# Altium PCB Inverter2beta.PcbDoc (part 5 of 5)
Units mm, origin at the board's own origin, x right, y up, seen from the top; angles counter-clockwise.
Board outline 174.4 x 124.43 mm, 4 copper layers (Top Layer, TOP_RTN, BOTT_RTN, Bottom Layer), stack 1.506 mm thick; 535 components, 311 nets, 1510 pads, 425 vias.
Unrouted connection lines stored in the file: 248.
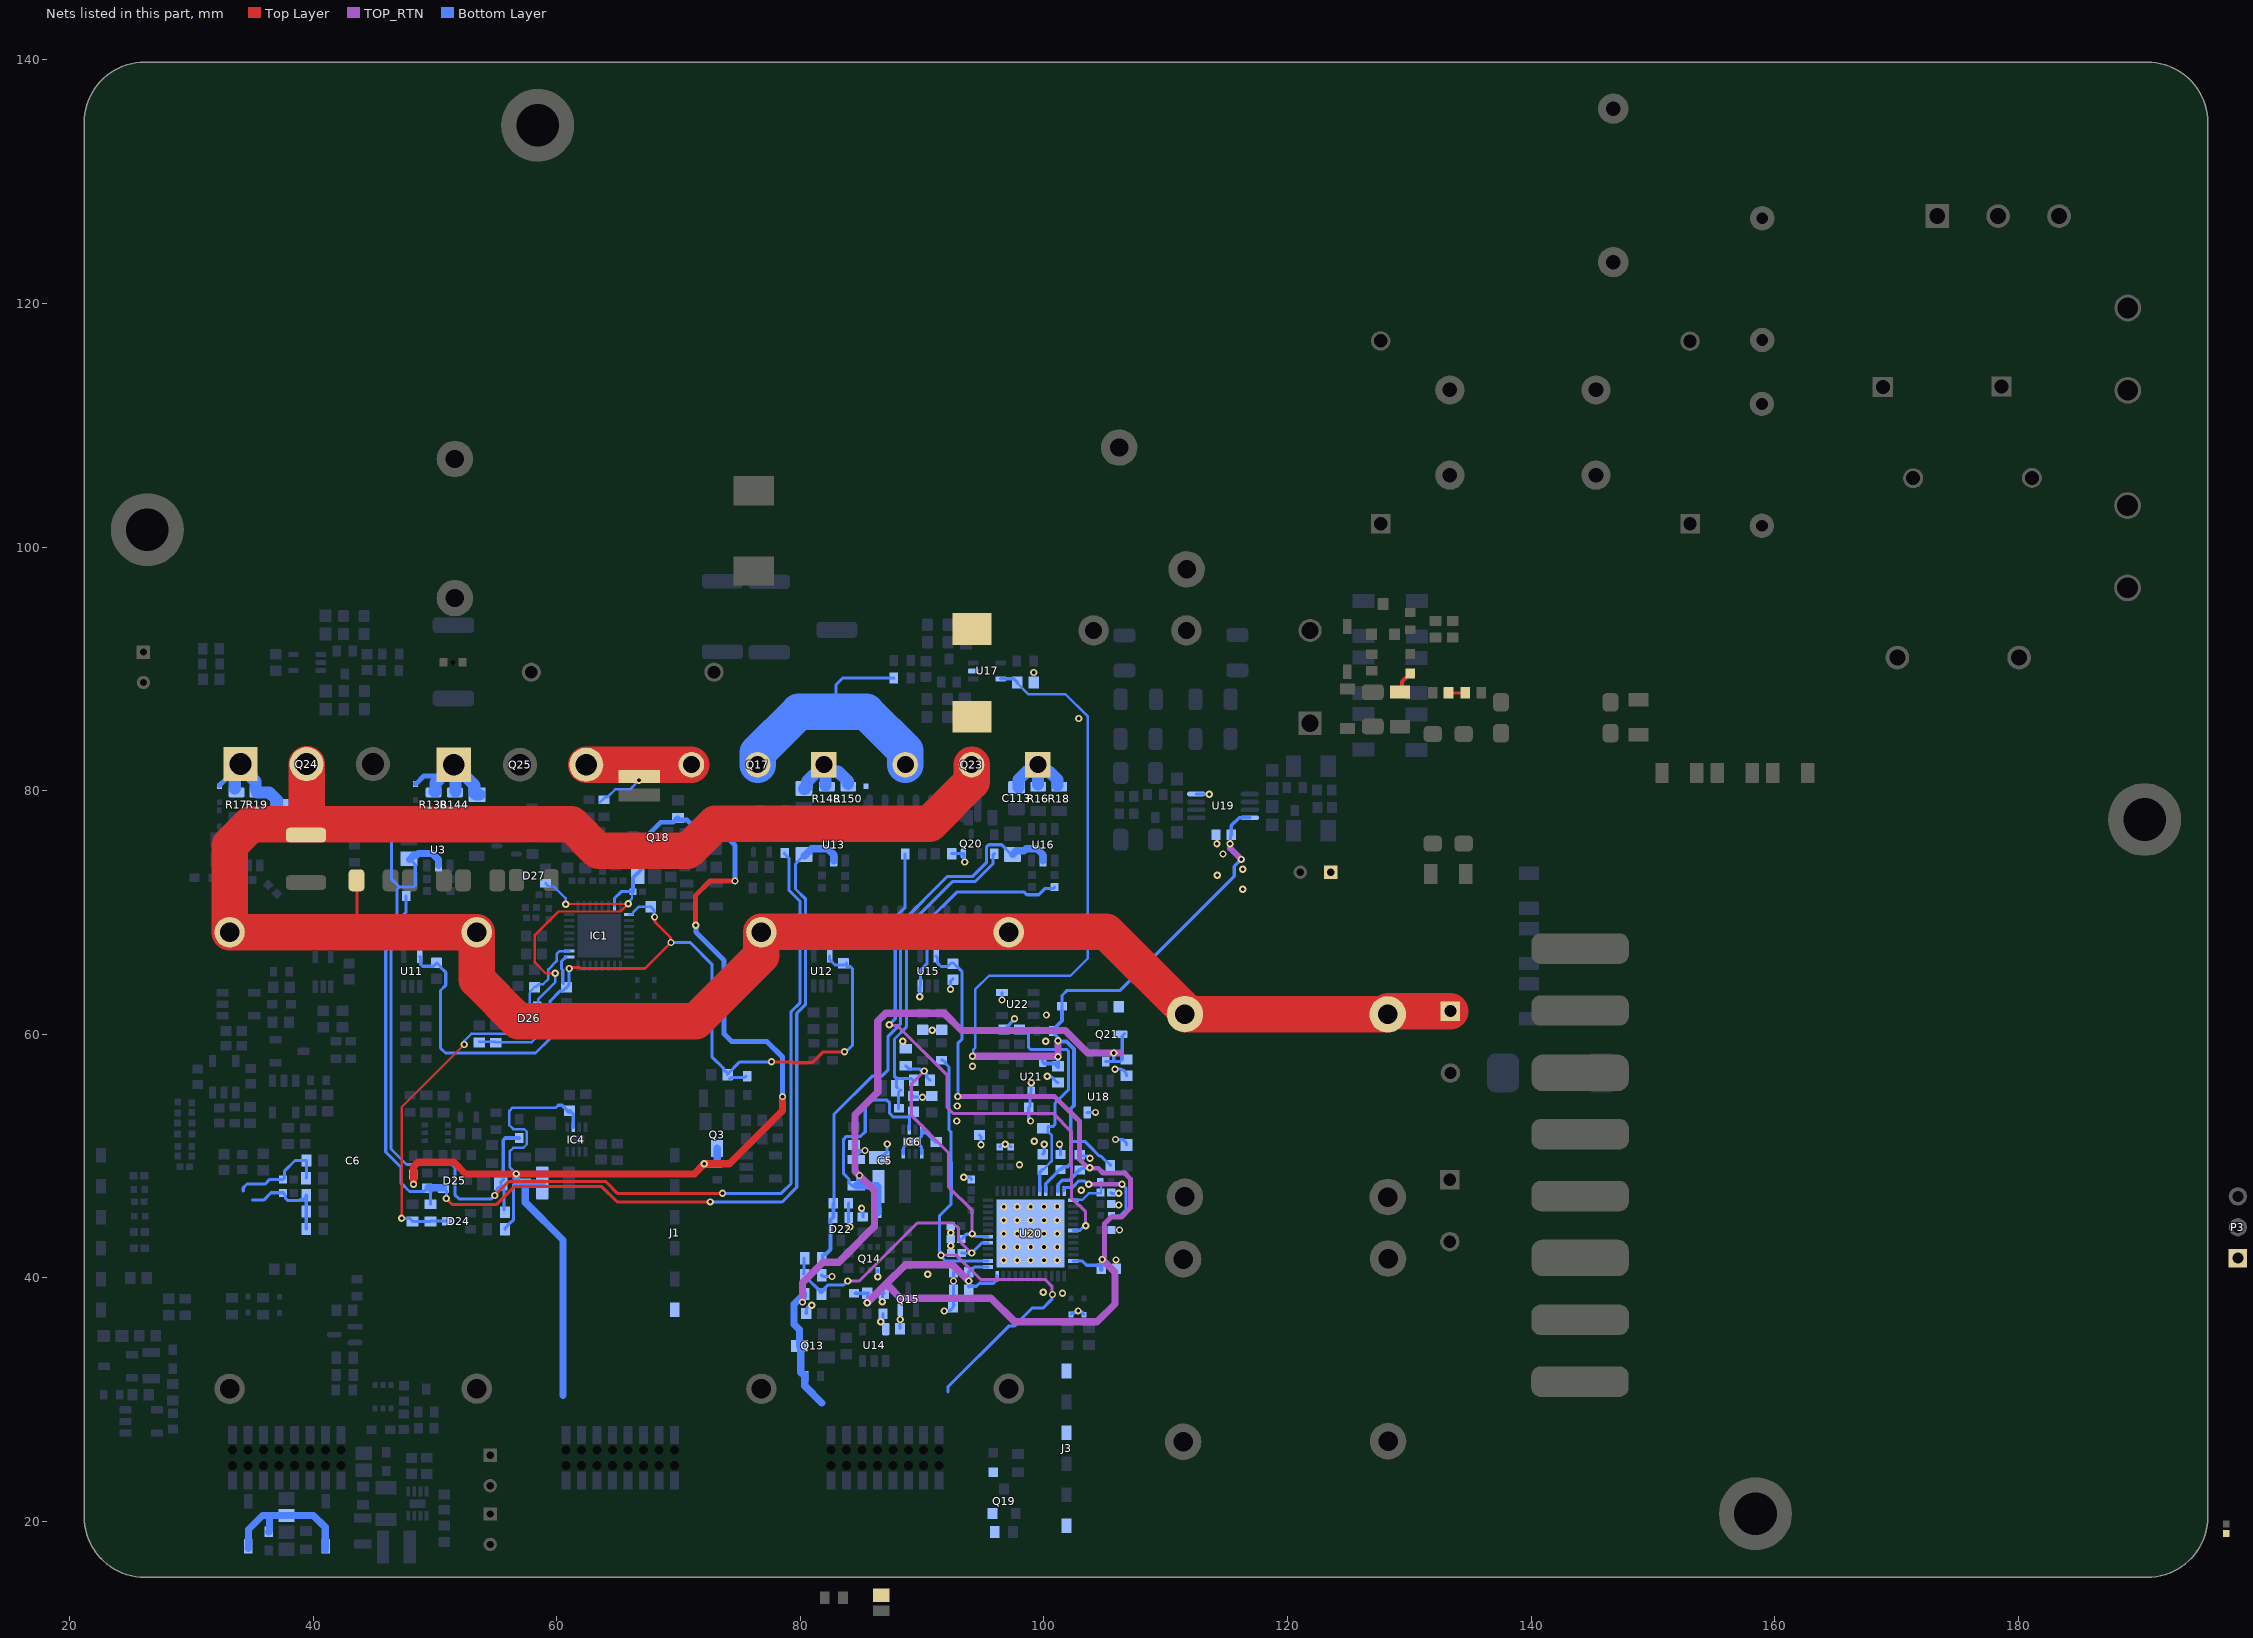
[diagram p7: the nets of this part, all layers, seen from the top]

## Via types
v1: diameter 0.6, hole 0.3, Top Layer to Bottom Layer, tented both sides, 425 vias

## Nets (pads, with @x,y where several pads share a name; then routed paths per layer and width w, separated by ;. In a path a pad name is that pad's centre, name@x,y a point inside that pad or via, vN(x,y) a via of type N, cw(c..) or ccw(c..) an arc to the next point about the centre after c; other vN are vias at no path point) (continued)
TOP_LF_GND: C30.1 C41.1 C60.2 C65.1 C66.2 C67.1 C72.1 C83.1 C93.1 C94.1 C95.1 C97.1 C99.1 C102.1 C103.2 C104.2 C105.2 C106.1 C109.1 C110.1 C111.1 C121.1 C122.1 C126.1 C127.1 C128.2 C130.1 C132.1 C141.1 C143.1 C144.2 C148.1 C150.1 C151.1 C153.1 C154.1 C155.1 C156.1 C158.1 C161.2 C162.2 C163.1 D11.2 D12.2 D22.2 IC6.4 IC6.5 IC6.8 IC6.9 J3.3 J3.6 NTC4.1 P4.3 Q14.1 Q15.2 Q17.2 Q19.2 Q20.2 Q23.3 R51.1 R68.1 R119.1 R130.1 R131.1 R139.1 R141.1 R172.1 R173.1 R176.1 R179.1 R180.2 R183.1 R190.1 R193.1 R203.2 R209.1 U14.5 U15.3 U17.2 U18.5 U19.4 U20.49 U21.2 U22.5 | length 83.6
  Bottom Layer w0.254: C110.1@80.475,37.05 80.475,37.282 80.484,37.373 80.484,37.374 cw(c80.943,37.282) 80.504,37.443 cw(c80.742,37.355) 80.573,37.545 ccw(c80.175,38) 80.656,37.633 cw(c80.857,37.478) 80.753,37.709 cw(c80.943,37.282) v1(80.943,37.75) ; R179.1@81.75,40.2 81.85,40.1 v1(82.595,40.1) ; R51.1@83,87.2 82.925,87.525 82.925,88.7 83.475,89.25 R183.1@87.675,89.25 ; C111.1@83.95,46.125 83.95,44.3 ccw(c84.075,44.3) v1(84.075,44.175) ; R209.1@84.4,50.9 ccw(c84.85,50.9) 84.85,50.45 v1(85.3,50.45) ccw(c85.3,49.725) 84.575,49.725 C97.1@84.575,49.7 ; v1(85.022,45.7) cw(c85.022,45.597) 85.125,45.597 C106.1@85.125,45 ; v1(86.35,40.075) Q14.1@86.35,40.625 ; C102.1@86.475,49.875 87.125,50.298 v1(87.125,50.975) ; v1(86.6,36.375) ccw(c86.6,36.55) 86.775,36.55 R139.1@86.775,37.05 ; v1(86.725,38.028) 86.725,38.6 C109.1@86.85,38.725 ; R173.1@88.175,35.825 88.175,36.55 cw(c88.2,36.55) v1(88.2,36.575) ; IC6.8@88.45,50.175 88.473,50.198 88.473,50.748 88.9,51.175 IC6.9@89.2,51.175 IC6.9@89.5,51.175 ; C158.1@89.275,54.925 89.375,54.825 v1(90.025,54.825) ; v1(89.8,63.075) 89.825,63.1 89.825,63.925 U15.3@89.85,63.95 89.85,65.248 90.38,65.778 90.38,69.208 92.833,71.661 98.377,71.661 98.593,71.445 99.57,71.445 100.094,71.969 100.769,71.969 R141.1@100.875,72.075 ; IC6.4@89.927,51.902 89.927,51.602 IC6.9@89.5,51.175 ; IC6.5@89.95,50.175 89.927,50.198 89.927,50.748 89.6,51.075 v1(89.6,51.175) IC6.9@89.5,51.175 ; IC6.4@89.95,52.175 89.95,51.925 89.973,51.902 90.323,51.902 91.075,51.15 R131.1@91.15,51.15 ; v1(91.8,37.272) 91.805,37.277 92.252,37.277 92.525,37.55 R190.1@92.525,37.625 ; v1(92.325,63.7) 92.325,64.35 C141.1@92.525,64.55 ; R176.1@92.425,74.825 92.449,74.849 Q20.2@93.375,74.849 93.41,74.814 93.41,74.309 93.485,74.234 v1(93.485,74.14) ; C161.2@92.575,40.45 v1(92.575,39.725) C66.2@92.575,39 92.575,37.825 ccw(c92.65,37.825) R190.1@92.65,37.75 ; v1(93.403,48.25) 93.84,48.25 cw(c93.84,48.065) C126.1@94.025,48.065 ; C60.2@94.7,51.725 94.825,51.6 v1(94.825,50.925) ; C144.2@96.375,50.74 96.375,50.751 96.518,50.894 96.746,50.894 v1(96.813,50.961) ; v1(96.55,62.8) U22.5@96.55,63.425 ; R203.2@96.7,60.375 96.75,60.375 97.22,60.845 97.22,60.901 97.575,61.256 v1(97.575,61.275) ; v1@96.825,51.025 96.956,50.894 97.132,50.894 97.275,50.751 C150.1@97.275,50.74 ; v1(98.9,52.875) 98.75,53.025 C154.1@98.75,53.975 98.85,54.075 98.85,55.1 U21.2@98.95,55.2 v1(98.95,56) ; C153.1@99.9,50.15 100.025,50.275 v1(100.025,50.95) ; v1(100.275,56.55) 100.341,56.484 100.641,56.484 101.1,56.025 C30.1@101.15,56.025 ; v1(101.27,50.95) cw(c101.27,50.87) 101.35,50.87 C130.1@101.35,50.125 C130.1@101.35,50.1 ; D12.2@102.225,36.99 102.225,37.03 102.298,37.103 102.534,37.103 102.706,37.275 v1(102.8,37.275) 102.866,37.209 103.096,37.209 103.227,37.078 103.227,37.038 D11.2@103.3,36.965 ; C67.1@102.95,50.1 103.05,50 103.575,50 v1(103.775,49.8) ; U18.5@103.55,53.575 v1(104.225,53.575) ; C148.1@105.515,47 ccw(c105.59,47) 105.59,46.925 v1(106.145,46.925) ; v1(105.831,57.13) 106.22,57.13 cw(c106.22,56.575) C143.1@106.775,56.575 ; v1(105.875,51.35) 106.325,51.35 cw(c106.325,50.9) R193.1@106.775,50.9 ; U19.4@112.5,79.725 113.55,79.725 cw(c113.55,79.7) v1(113.575,79.7)
  Bottom Layer w3: Q17.2@76.49,82.125 76.49,83.09 79.875,86.475 85.4,86.475 88.61,83.265 Q23.3@88.61,82.125
  other v1: 101.525,38.725 99.935,38.811 90.45,40.275 96.7,41.425 97.8,41.425 98.9,41.425 100,41.425 101.1,41.425 105.912,41.462 96.7,42.525 97.8,42.525 98.9,42.525 100,42.525 101.1,42.525 92.35,42.63 96.7,43.625 97.8,43.625 98.9,43.625 100,43.625 101.1,43.625 92.35,43.7 106.2,43.925 96.7,44.725 97.8,44.725 98.9,44.725 100,44.725 101.1,44.725 96.7,45.825 97.8,45.825 98.9,45.825 100,45.825 101.1,45.85 106.145,45.975 103.05,47.175 97.991,49.284 88.8,51.175 99.2,51.2 92.824,52.875 92.875,54.105 94.125,57.375 88.412,59.407 100.15,59.425 90.825,60.325 100.2,61.575 116.325,71.9 114.225,73.05 116.325,73.55 114.7,74.8 114.2,75.625 102.85,85.925 99.15,89.7
TOP_LF_TWO_LEVEL_TIM1_CH2_5: R143.1 U20.30 | length 44.1
  TOP_RTN w0.254: v1(87.297,60.778) 87.391,60.778 87.469,60.7 87.975,60.7 92.05,56.625 92.05,53.975 92.525,53.5 100.75,53.5 102.25,52 102.25,46.575 103.42,45.405 v1(103.42,44.27)
  Bottom Layer w0.254: v1(87.297,60.778) 87.784,61.265 87.784,69.609 88.6,70.425 R143.1@88.6,74.8 ; U20.30@102.4,43.875 102.423,43.898 102.954,43.898 103.327,44.27 v1(103.42,44.27)
TOP_LF_TWO_LEVEL_TIM1_CH2N: R174.1 U20.2 | length 44.2
  TOP_RTN w0.254: v1(91.542,41.853) 92.797,41.853 94.8,39.85 100.1,39.85 100.644,39.306 100.644,38.681 v1(100.7,38.625)
  Bottom Layer w0.254: v1(91.542,41.853) 91.476,41.919 91.476,42.124 91.425,42.175 91.425,45.1 92.375,46.05 92.375,46.708 92.387,46.72 92.387,49.48 92.375,49.492 92.375,51.95 92.2,52.125 92.2,57.302 91.923,57.579 91.923,57.652 91.7,57.875 R174.1@91.6,57.875 ; v1@91.55,41.825 91.608,41.767 91.608,41.686 91.919,41.375 U20.2@95.4,41.375 ; 92.118,30.602 92.118,31.047 97.096,36.025 97.546,36.025 99.021,37.5 99.925,37.5 100.48,38.055 100.48,38.057 100.646,38.224 100.646,38.571 v1(100.7,38.625)
TOP_LF_V_3V3A: C30.2 C41.2 C130.2 C155.2 FB11.1 R186.2 R204.2 U17.5 U19.8 U20.21 U21.5 | length 102.2
  TOP_RTN w0.5: v1(115.275,75.625) 115.294,75.606 115.294,75.256 v1(116.2,74.35)
  TOP_RTN w0.6: v1(94.128,58.175) 101.12,58.175 v1(101.15,58.145) v1(101.15,59.45)
  Bottom Layer w0.2: v1(94.128,58.175) 94.204,58.252 94.204,58.732 94.347,58.875 94.347,63.656 95.488,64.797 102.163,64.797 103.6,66.234 103.6,86.075 101.75,87.925 98.7,87.925 97.8,88.825 C41.2@97.8,88.875
  Bottom Layer w0.254: FB11.1@101.475,61.95 FB11.1@101.475,62.275 101.475,63.175 101.9,63.6 106.253,63.6 115.625,72.972 115.625,73.775 v1(116.2,74.35) ; 102.197,51.175 103.396,51.175 104.095,50.476 104.095,50.449 104.546,49.998 104.652,49.998 105.102,49.548 105.177,49.548 105.45,49.275 R186.2@105.45,49.2 ; v1(115.275,75.625) 115.325,75.675 115.325,76.325 C155.2@115.375,76.375
  Bottom Layer w0.3: U17.5@96.45,89.175 97.525,89.175 97.8,88.9 C41.2@97.8,88.875 ; U21.5@99.9,57.8 99.9,57.738 100.05,57.588 100.863,57.588 C30.2@101.15,57.3 ; U20.21@100.15,47.125 100.15,47.725 C130.2@101.125,48.7 ; R204.2@100.725,60.15 101.093,59.782 101.093,59.507 v1(101.15,59.45) 101.207,59.393 101.857,59.393 102.465,58.785 102.465,54.14 102.197,53.872 102.197,51.175 102.197,49.397 101.9,49.1 101.6,49.1 101.4,48.9 101.3,48.9 C130.2@101.075,48.675 ; R204.2@100.75,60.375 101.475,61.1 FB11.1@101.475,61.95 ; C30.2@101.15,57.375 v1(101.15,58.145) ; C155.2@115.375,76.375 115.375,77.125 116.025,77.775 U19.8@116.9,77.775
TOP_LF_V_3V3D: C66.1 C67.2 C99.2 C109.2 C128.1 C141.2 C161.1 C162.1 FB12.1 J3.1 LED3.2 P4.1 U15.5 U20.1 U20.23 U20.35 U20.48 | length 89.6
  TOP_RTN w0.4: v1(92.925,54.881) 92.931,54.875 100.875,54.875 102.925,52.825 102.925,49.691 103.556,49.061 103.71,49.061 v1(103.748,49.023) ; v1@103.841,48.984 104.464,48.984 104.848,48.6 106.625,48.6 107.1,48.125 107.1,45.7 106.375,44.975 105.5,44.975 104.975,44.45 104.975,41.7 v1(104.775,41.5)
  TOP_RTN w0.6: v1(85.5,37.953) 87.049,39.501 88.622,41.075 92.475,41.075 v1(93.825,39.725) ; 87.2,39.35 88.225,38.325 95.65,38.325 97.6,36.375 104.35,36.375 105.825,37.85 105.825,40.45 v1(104.775,41.5)
  Bottom Layer w0.254: FB12.1@84.475,38.725 C109.2@85.5,38.725 ; v1(85.5,37.953) C109.2@85.5,38.725 ; C109.2@85.6,38.725 C109.2@85.5,38.725 ; U15.5@91.15,66.4 91.248,66.302 91.248,65.852 91.543,65.557 92.082,65.557 C141.2@92.375,65.85 ; C141.2@92.525,65.85 92.55,65.85 93.28,65.12 93.28,59.605 92.925,59.25 v1(92.925,54.881) ; U20.1@95.4,40.875 94.275,40.875 94.148,40.748 94.073,40.748 93.825,40.5 C161.1@93.825,40.45 v1(93.825,39.725) 93.825,39.25 93.873,39.298 94.448,39.298 94.7,39.55 95.85,39.55 96.127,39.827 96.127,40.102 U20.48@96.15,40.125 ; U20.35@102.4,41.375 103.155,41.375 103.505,41.025 C162.1@104.625,41.025 ; C67.2@102.95,48.85 103.109,49.009 103.161,48.956 103.682,48.956 v1(103.748,49.023)
  Bottom Layer w0.3: U20.23@101.15,47.125 101.15,47.558 101.172,47.58 101.172,47.668 101.504,48 102.1,48 102.675,48.575 102.675,48.625 102.9,48.85 C67.2@102.95,48.85
  Bottom Layer w0.4: C162.1@104.7,40.675 C162.1@104.7,40.725 104.7,41.025 104.737,41.062 104.737,41.462 v1(104.775,41.5)
TOP_LF_V_3VN: C103.1 C104.1 C105.1 C111.2 C112.1 D8.1 D22.1 R115.2 U16.2 | length 47.1
  Bottom Layer w0.254: C111.2@82.75,46.088 82.75,53.406 85.899,56.555 86.68,56.555 87.2,57.075 87.2,59.825 88.225,60.85 88.225,69.1 92.082,72.957 94.157,72.957 95.27,74.07 95.27,75.356 95.469,75.555 96.52,75.555 97.325,74.75 C112.1@97.425,74.75
  Bottom Layer w0.3: R115.2@81.825,41.575 81.825,41.825 81.95,41.95 82.1,41.95 82.475,42.325 82.475,44.75 82.712,44.988 C111.2@82.712,46.088
  Bottom Layer w0.6: C112.1@97.425,74.75 97.725,75.05 98.343,75.05 98.521,75.228 99.429,75.228 99.925,74.732 U16.2@99.925,74.25
TOP_LF_V_5VP: C96.2 C97.2 C143.2 C158.2 FB8.2 FB10.2 IC6.2 L5.1 Q13.3 Q21.3 R133.2 R178.2 R191.2 | length 83.4
  TOP_RTN w0.6: v1(80.175,38) 80.175,39.6 81.85,41.275 83.15,41.275 86.075,44.2 86.075,47.175 v1(84.85,48.4) 84.826,48.4 84.475,48.751 84.475,53.375 86.35,55.25 86.35,61.075 87,61.725 91.8,61.725 93.225,60.3 101.75,60.3 103.6,58.45 v1(105.725,58.45) 106.225,58.45
  Bottom Layer w0.254: C97.2@84.575,47.55 84.24,47.55 83.992,47.798 83.992,48.098 83.545,48.546 83.545,51.376 83.774,51.605 84.936,51.605 85.32,51.989 85.32,54.17 85.73,54.58 87.101,54.58 87.325,54.356 87.325,53.494 87.619,53.2 C158.2@88.95,53.2 ; IC6.2@88.95,52.175 C158.2@88.95,53.325 ; R191.2@105.075,57.75 105.077,57.752 105.665,57.752 ; v1(105.725,58.45) 105.725,57.813 105.665,57.752 ; Q21.3@106.625,60.05 106.425,59.85 106.425,57.925 106.252,57.752 105.665,57.752
  Bottom Layer w0.6: Q13.3@79.925,34.4 79.925,35.725 79.472,36.178 79.472,37.822 80.125,38.475 80.225,38.475 R178.2@80.225,38.675 ; Q13.3@80.025,34.4 80.025,32.25 R133.2@80.338,31.937 ; R133.2@80.35,32.05 R133.2@80.35,31.925 80.35,31.125 81.754,29.721 ; C97.2@84.575,47.55 C97.2@84.85,47.55 ; v1(84.85,48.4) C97.2@84.85,47.55 ; FB10.2@86.325,45.325 86.362,45.363 86.362,47.463 86.275,47.55 C97.2@84.85,47.55
TOP_LF_V_16VP: C93.2 C94.2 C95.2 C160.2 FB14.2 FB19.2 R177.1 | length 26.7
  Bottom Layer w0.254: 87.875,56.35 87.875,55.675 C160.2@87.975,55.575 ; FB19.2@88.05,53.875 C160.2@88.05,55.05 ; C160.2@88.05,55.225 C160.2@88.247,55.422 ; R177.1@89.25,56.2 89.25,56.202 89.102,56.35 87.975,56.35 87.891,56.434 87.791,56.434 87.725,56.5 87.725,59.319 87.725,59.6 88.7,60.575 88.7,68.75 92.475,72.525 94.336,72.525 95.83,74.019 95.83,74.73 FB14.2@95.925,74.825
TOP_LF_VREF: C153.2 R202.1 R205.1 U20.20 | length 18.4
  Bottom Layer w0.2: C153.2@99.9,48.85 99.925,48.85 100.25,49.175 100.25,49.2 100.628,49.578 100.628,51.705 100.408,51.925 100.375,51.925 100.325,51.975 R205.1@100.325,52.35
  Bottom Layer w0.254: R202.1@97.975,60.375 98.248,60.102 98.581,60.102 98.73,59.953 98.73,58.899 98.879,58.75 101.857,58.75 102.011,58.596 102.011,55.436 100.9,54.325 100.9,52.6 100.707,52.407 100.348,52.407 100.313,52.373 R205.1@100.313,52.338 ; U20.20@99.65,47.125 99.65,48.65 C153.2@99.9,48.9
V_3V3A: C48.2 C80.2 D26.2 D27.2 FB1.1 IC1.15 R166.2 R170.2 | length 38.2
  Top Layer w0.2: v1(59.878,65) 59.075,65 58.197,65.878 58.197,67.083 58.2,67.086 58.2,68.15 60.125,70.075 65.225,70.075 v1@65.838,70.688 ; v1(60.725,70.675) 60.738,70.688 v1@65.838,70.688 ; v1(65.85,70.7) v1@65.838,70.688
  Bottom Layer w0.2: R170.2@53.625,59.375 54.963,59.375 54.987,59.35 57.943,59.35 58.4,59.807 D26.2@58.4,62.25 58.478,62.328 58.478,62.883 59.878,64.283 v1(59.878,65) ; D27.2@59.075,72.375 59.325,72.125 59.748,72.125 60.725,71.148 v1(60.725,70.675) ; IC1.15@64.725,70.525 IC1.15@64.75,70.55 ; v1(65.85,70.7) 65.85,70.808 66.172,71.13 66.172,71.53 C80.2@66.235,71.53
  Bottom Layer w0.254: IC1.15@64.725,70.525 64.727,70.527 64.727,71.152 65.275,71.7 C80.2@66.235,71.7
  Bottom Layer w0.3: C80.2@66.235,71.7 66.25,71.715 66.25,72.85 67.172,73.772 67.172,73.811 67.3,73.939 67.3,74.2 FB1.1@67.5,74.4
V_3V3D: C53.2 C79.2 C85.1 C90.2 C136.2 C137.2 FB6.1 IC1.1 IC1.17 J1.1 LED1.2 U11.5 U12.5 | length 78.3
  Top Layer w0.254: v1(61.016,65.389) 61.082,65.455 61.325,65.455 61.349,65.48 61.851,65.48 61.941,65.389 67.239,65.389 v1(69.375,67.525) 69.335,67.565 69.335,67.94 68.065,69.21 68.065,69.585 v1(68.025,69.625) ; v1(77.625,57.725) 79.309,57.725 79.384,57.65 80.975,57.65 81.874,58.549 v1(83.625,58.549)
  Bottom Layer w0.2: IC1.17@65.925,69.825 66.225,69.825 66.25,69.85 66.25,69.983 66.742,70.475 C79.2@67.7,70.475
  Bottom Layer w0.254: U11.5@48.725,66.375 48.823,66.277 48.823,65.724 48.972,65.575 49.85,65.575 C136.2@50.125,65.85 50.15,65.85 50.448,65.552 50.448,65.508 50.88,65.076 50.88,64.024 50.448,63.592 50.448,58.852 50.85,58.45 58.25,58.45 59.45,59.65 59.45,62.725 60.277,63.552 60.502,63.552 C85.1@60.8,63.85 60.995,64.045 60.995,65.368 v1(61.016,65.389) ; C85.1@60.537,64.163 60.537,64.173 60.483,64.228 60.483,65.251 60.385,65.348 60.385,65.981 IC1.1@60.727,66.323 ; C79.2@67.7,70.475 67.99,70.185 67.99,69.66 v1(68.025,69.625) ; v1(69.375,67.525) 70.95,67.525 72.725,65.75 72.725,58.153 73.727,57.151 73.727,57.023 73.8,56.95 C90.2@73.928,56.95 ; C90.2@74.025,56.675 74.025,56.725 75.025,57.725 v1(77.625,57.725) ; C90.2@74.2,56.35 74.296,56.446 75.421,56.446 FB6.1@75.525,56.55 ; U12.5@82.4,66.4 82.4,66.1 82.498,66.002 82.52,66.002 82.84,65.682 C137.2@83.617,65.682 ; v1(83.625,58.549) 83.691,58.615 83.807,58.615 84.28,59.088 84.28,65.37 84.115,65.535 83.848,65.535 83.8,65.583 C137.2@83.8,65.825
V_3V3DCDC: R3.2 R13.2 | length 1.5
  Top Layer w0.254: R3.2@133.225,88.025 R13.2@134.675,88.025
V_3VN: C57.1 C58.1 C59.1 C75.1 C89.2 C92.1 D10.1 D20.1 D25.1 R160.1 U3.2 U13.2 | length 107.4
  Top Layer w0.254: v1(50.925,46.5) 51.425,46 55.02,46 56.499,47.48 63.695,47.48 64.95,46.225 v1(72.6,46.225)
  Bottom Layer w0.254: C75.1@47.85,74.4 47.9,74.35 47.952,74.35 48.375,73.927 48.375,72.23 48.226,72.081 47.081,72.081 ; D20.1@48.25,77.19 47.244,77.19 46.413,76.359 46.413,72.748 47.081,72.081 ; C89.2@49.35,47.35 49.102,47.102 48.93,47.102 48.903,47.075 47.9,47.075 47.225,47.75 47.225,49.05 45.95,50.325 45.95,68.975 46.875,69.9 46.875,71.875 47.081,72.081 ; C89.2@49.425,47.35 49.625,47.15 R160.1@49.625,46.025 ; D25.1@50.675,47.325 50.72,47.325 50.943,47.102 50.943,46.782 50.925,46.8 v1(50.925,46.5) ; v1(72.6,46.225) 78.5,46.225 79.7,47.425 79.7,61.706 80.407,62.413 80.407,71.118 79.6,71.925 79.6,73.95 79.677,74.027 79.677,74.077 80.25,74.65 C92.1@80.3,74.65
  Bottom Layer w0.6: C75.1@47.9,74.35 48.25,74.7 48.474,74.7 48.601,74.828 49.779,74.828 50.275,74.332 U3.2@50.275,73.85 ; C89.2@49.425,47.388 50.663,47.388 D25.1@50.675,47.375 ; C92.1@80.3,74.65 80.35,74.65 80.928,75.228 82.229,75.228 82.725,74.732 U13.2@82.725,74.25
V_5VP: C10.2 C42.2 C135.2 C142.2 FB3.2 FB4.2 IC4.2 L4.1 Q3.3 Q18.3 R85.2 R86.2 R159.1 | length 115.3
  Top Layer w0.4: v1@71.375,68.975 71.375,71.375 72.575,72.575 v1(74.625,72.575)
  Top Layer w0.6: v1(48.225,47.68) 48.225,49.124 48.576,49.475 51.55,49.475 52.5,48.525 v1(56.675,48.525) 71.275,48.525 v1(72.1,49.35) 74.175,49.35 78.525,53.7 v1(78.525,54.875)
  Bottom Layer w0.2: v1(56.675,48.525) 56.147,49.053 56.147,50.393 56.428,50.674 57.247,50.674 57.528,50.955 57.528,51.995 57.322,52.2 56.425,52.2 56.1,52.525 56.1,53.7 56.37,53.97 59.92,53.97 60.1,54.15
  Bottom Layer w0.254: R159.1@55.75,43.975 55.75,44.075 56.097,44.422 56.103,44.422 56.455,44.774 56.455,47.64 C42.2@56.714,47.899
  Bottom Layer w0.3: 60.1,54.15 60.45,54.15 C135.2@61.025,53.575 ; C135.2@61.05,53.7 61.075,53.7 61.35,53.425 IC4.2@61.35,52.35
  Bottom Layer w0.4: Q18.3@67.693,76.15 67.693,76.575 68.519,77.4 69.55,77.4 69.9,77.75 C142.2@69.95,77.75 ; C142.2@69.95,77.575 70.7,77.575 71.55,76.725 71.55,76.625 R86.2@71.65,76.525 73.6,76.525 74.625,75.5 v1(74.625,72.575) ; v1(71.4,68.95) 71.412,68.938 71.412,68.387 73.725,66.075 73.725,60.025 74.35,59.4 77.25,59.4 78.525,58.125 v1(78.525,54.875)
  Bottom Layer w0.6: FB4.2@48.2,48.475 48.225,48.45 v1(48.225,47.68) ; v1(56.675,48.525) 56.675,47.938 C42.2@56.714,47.899 ; L4.1@58.8,47.775 C42.2@57.325,47.775 ; 60.5,30.325 60.5,43.098 57.4,46.198 57.4,47.7 C42.2@57.325,47.775 ; v1(72.1,49.35) R85.2@73.163,49.35 ; Q3.3@73.15,50.625 73.163,50.612 R85.2@73.163,49.35 ; R85.2@73.175,49.35 R85.2@73.163,49.35 ; C42.2@57.325,47.775 C42.2@57.15,47.775 C42.2@57.325,47.775
V_12: P3.1 R43.2 RELAY.2 | length 1.9
  Top Layer w0.3: R43.2@129.25,88.1 129.401,88.251 129.401,88.951 RELAY.2@130.075,89.625
V_16VP: C54.2 C55.2 C56.2 C138.2 FB5.2 FB7.2 FB16.2 R158.1 | length 94.9
  Top Layer w0.254: v1(54.898,46.75) 56.059,47.912 63.988,47.912 64.97,46.93 v1(73.6,46.93)
  Bottom Layer w0.254: FB5.2@47.625,71.35 47.625,70.025 46.382,68.782 46.382,50.568 47.655,49.295 51.38,49.295 51.625,49.05 51.625,46.825 52,46.45 54.576,46.45 54.876,46.75 v1(54.898,46.75) 55.09,46.943 55.09,47.302 55.188,47.4 C138.2@55.4,47.4 ; C138.2@55.4,47.85 C138.2@55.4,47.4 ; R158.1@55.65,45.575 55.65,46.95 55.657,46.943 55.657,47.302 55.559,47.4 C138.2@55.4,47.4 ; v1(73.6,46.93) 78.43,46.93 79.225,47.725 79.225,61.842 79.975,62.592 79.975,70.9 79.075,71.8 79.075,74.428 78.926,74.577 78.923,74.577 78.7,74.8 FB7.2@78.7,74.875
  Bottom Layer w0.3: C138.2@55.4,47.85 55.6,48.05 55.6,51.299 55.776,51.475 FB16.2@56.9,51.475
V_400VDC: C2.1 C4.1 C5.1 C6.1 C8.2 C134.2 D3.1 D40.2 Q23.2 Q24.2 R71.2 TP7.1 | length 196.2
  Top Layer w0.254: 42.6,68.375 43.6,69.375 R71.2@43.6,72.625
  Top Layer w0.3: 40.35,68.475 40.45,68.375
  Top Layer w3: 39.45,77.575 Q24.2@39.45,82.175 ; 41.25,77.25 61.183,77.25 63.383,75.05 70.763,75.05 72.988,77.275 90.598,77.275 94.05,80.727 Q23.2@94.05,82.125 ; 42.225,77.25 34.882,77.25 33.125,75.493 33.125,69.636 C6.1@33.125,68.375 34.056,68.375 40.45,68.375 42.6,68.375 52.156,68.375 C6.1@53.425,68.375 53.425,67.036 53.425,64.475 56.85,61.05 71.4,61.05 76.8,66.45 76.8,68.405 97.1,68.405 105.12,68.405 C4.1@111.6,61.925 ; C4.1@111.6,61.625 C2.1@128.225,61.625 ; C2.1@128.275,61.875 133.36,61.875 D3.1@133.375,61.89
VAC_OPAMP6_IN+_5: C148.2 R110.2 U20.25 | length 3.4
  Bottom Layer w0.2: U20.25@102.4,46.375 102.428,46.403 103.153,46.403 103.68,46.93 104.68,46.93 104.68,47.845 R110.2@104.675,47.85
VAC_OPAMP6_OUT_5: R200.1 U20.24 | length 9
  TOP_RTN w0.4: v1(103.677,47.68) 103.679,47.677 106.398,47.677 v1(106.4,47.675)
  Bottom Layer w0.254: U20.24@101.65,47.125 101.65,47.37 101.673,47.393 102.318,47.393 102.875,47.95 103.313,47.95 103.583,47.68 v1(103.677,47.68) ; R200.1@105.55,45.05 106.225,45.05 106.75,45.575 106.75,47.325 v1(106.4,47.675)
VDDB_BOTT: FB3.1
VDDB_TOP_HF_MOS: C174.2 D2.2 D5.2 FB15.1 | length 12
  Bottom Layer w0.6: D2.2@34.65,17.775 34.674,17.799 34.674,19.324 35.825,20.475 36.575,20.475 ; FB15.1@36.35,19.15 36.4,19.2 36.4,20.3 36.575,20.475 ; D5.2@40.975,17.675 40.975,19.5 40,20.475 C174.2@37.8,20.475 36.575,20.475
VDDB_TOP_LF_MOS: FB8.1
VH_BOTT_HF_MOS: C81.2 D16.1 Q25.1 R60.2 R138.2 R144.2 | length 11.2
  Bottom Layer w0.4: D16.1@48.4,80.535 48.4,80.575 48.44,80.575 49.065,81.2 50.61,81.2 50.76,81.35 Q25.1@51.535,82.125
  Bottom Layer w1: R138.2@49.975,79.95 50.025,79.95 50.025,80.615 Q25.1@50.76,81.35 ; Q25.1@51.535,82.125 Q25.1@51.668,81.993 ; R144.2@51.668,79.95 Q25.1@51.668,81.993 ; C81.2@53.425,79.775 53.525,79.675 C81.2@53.625,79.675 ; C81.2@53.45,79.675 53.35,79.675 53.25,79.775 53.25,80.41 Q25.1@51.668,81.993
VH_BOTT_LF_MOS: C84.2 C98.2 D17.1 Q17.1 R53.2 R148.2 R150.2 | length 5.8
  Bottom Layer w1: C98.2@80.3,80.15 80.35,80.15 80.55,80.35 80.55,80.745 81.716,81.911 Q17.1@81.93,82.125 ; R148.2@82.053,80.425 Q17.1@82.053,81.575 ; Q17.1@82.48,81.575 83.089,81.575 83.9,80.764 R150.2@83.9,80.55
VH_TOP_HF_MOS: C25.2 D13.1 Q24.1 R17.2 R19.2 R59.2 | length 9.5
  Bottom Layer w0.4: D13.1@32.3,80.398 32.3,80.425 32.81,80.935 32.81,80.975 33.413,81.578 33.453,81.578 Q24.1@34.01,82.135 ; Q24.1@33.433,81.598 Q24.1@34.01,82.175
  Bottom Layer w1: R17.2@33.55,80.2 Q24.1@33.55,81.481 ; Q24.1@34.01,81.758 34.427,81.758 34.91,81.275 34.91,81.081 35.25,80.741 R19.2@35.25,80.2 ; R19.2@35.4,79.85 R19.2@35.45,79.85 ; R19.2@35.55,79.85 36.389,79.85 37,79.239 C25.2@37,78.375
VH_TOP_LF_MOS: C83.2 C113.1 D14.1 Q23.1 R16.2 R18.2 R68.2 | length 6.3
  Bottom Layer w1: C113.1@97.9,80.275 97.9,80.9 98.575,81.575 98.94,81.575 Q23.1@99.49,82.125 Q23.1@99.508,82.107 ; R16.2@99.508,80.525 99.508,81.7 99.633,81.575 100.414,81.575 101.1,80.889 R18.2@101.1,80.425
VMID_BOTT: C84.1 D40.1 Q17.3 Q25.3 R53.1 R60.1 R163.1 Rcsn.2 TP10.1 | length 12.6
  Top Layer w3: Q25.3@62.415,82.125 Q17.3@71.05,82.125
  Bottom Layer w0.2: R163.1@63.525,79.025 63.949,79.449 R163.1@64.173,79.449 ; R163.1@64.211,79.511 64.797,80.097 65.997,80.097 v1(66.75,80.85) ; R163.1@64.223,79.499 R163.1@64.236,79.499
VMON_MOS_DRV_3_N: C131.2 R55.1 R57.1 R65.2 U23.25 | length 8
  Bottom Layer w0.254: 35,46.375 35.925,46.375 36.525,46.975 C131.2@37.535,46.975 ; C131.2@37.51,46.95 37.53,46.95 37.723,46.757 37.723,46.526 37.924,46.325 38.856,46.325 38.933,46.402 39.152,46.402 R65.2@39.425,46.675 ; R55.1@39.425,44 R57.1@39.425,45.45 R65.2@39.425,46.675 ; R65.2@39.425,46.775 R65.2@39.425,46.675
VMON_MOS_DRV_3_P: C63.2 R32.2 R62.1 U23.24 | length 8.2
  Bottom Layer w0.254: 34.25,47.125 34.25,47.4 34.55,47.7 36.057,47.7 36.432,48.075 C63.2@37.51,48.075 37.646,48.211 37.646,48.776 38.495,49.625 R32.2@39.45,49.625 39.45,48.225 R62.1@39.4,48.175
VMON_MOS_DRV_4: C114.2 D24.3 D26.3 IC1.2 R160.2 R161.1 | length 34.9
  Top Layer w0.2: v1(47.25,44.875) 47.25,54 v1(52.4,59.15)
  Bottom Layer w0.2: v1(52.4,59.15) 52.4,59.45 52.975,60.025 57.5,60.025 57.75,60.275 D26.3@57.75,60.35 57.765,60.365 57.765,63.352 57.825,63.412 57.825,63.525 58.187,63.887 58.3,63.887 58.525,64.112 58.887,64.112 59.3,64.525 59.3,65.323 59.981,66.003 59.981,66.588 60.217,66.825 IC1.2@61.025,66.825
  Bottom Layer w0.254: v1(47.25,44.875) 47.9,44.875 R161.1@48.15,44.625 R160.2@49.625,44.625 ; R160.2@49.625,44.65 D24.3@51,44.65
VMON_MOS_DRV_5_N: C163.2 R115.1 R178.1 R179.2 U20.5 | length 22.2
  TOP_RTN w0.254: v1@83.897,39.725 84.825,39.725 89.6,44.5 92.525,44.5 92.975,44.05 92.975,43.075 94.025,42.025 v1(94.062,42.025)
  Bottom Layer w0.254: R179.2@80.25,40.3 80.3,40.35 R115.1@80.3,41.6 ; R179.2@80.525,39.975 81.662,38.838 81.662,39.048 81.685,39.025 R178.1@81.75,39.025 ; R178.1@81.625,38.775 81.725,38.775 81.998,39.048 81.998,39.148 82.25,39.4 83.55,39.4 v1(83.875,39.725) ; C163.2@93.24,42.025 v1(94.062,42.025) 94.889,42.852 95.377,42.852 U20.5@95.4,42.875
VMON_MOS_DRV_5_P: C65.2 R177.2 R180.1 U20.6 | length 21
  TOP_RTN w0.254: v1(90.175,56.975) 89.1,55.9 89.1,53.338 92.15,50.288 92.15,47.475 94.097,45.528 v1(94.097,43.597)
  Bottom Layer w0.254: R180.1@88.65,57.4 88.923,57.127 89.798,57.127 v1@90.062,56.862 ; v1(90.175,56.975) 90.175,56.881 90.377,56.679 90.377,56.473 R177.2@90.65,56.2 ; C65.2@93.215,43.175 93.235,43.175 93.63,43.57 94.07,43.57 v1(94.097,43.597) 94.191,43.597 94.413,43.375 U20.6@95.4,43.375
pads on no net: C113.0 CONN_BOTT.1 CONN_BOTT.2 CONN_BOTT.3 CONN_BOTT.4 CONN_BOTT.5 CONN_BOTT.6 CONN_BOTT.7 CONN_BOTT.8 CONN_BOTT.9 CONN_BOTT.10 CONN_BOTT.11 CONN_BOTT.12 CONN_BOTT.13 CONN_BOTT.14 CONN_BOTT.15 CONN_BOTT.16 CONN_BOTT.17 CONN_BOTT.18 CONN_BOTT.19 CONN_BOTT.20 CONN_BOTT.21 CONN_BOTT.22 CONN_BOTT.23 CONN_BOTT.24 CONN_BOTT.25 CONN_BOTT.26 CONN_BOTT.27 CONN_BOTT.28 CONN_BOTT.29 CONN_BOTT.30 CONN_BOTT.31 CONN_BOTT.32 CONN_TOP.17 CONN_TOP.18 CONN_TOP.19 CONN_TOP.20 CONN_TOP.21 CONN_TOP.22 CONN_TOP.23 CONN_TOP.24 CONN_TOP.25 CONN_TOP.26 CONN_TOP.27 CONN_TOP.28 CONN_TOP.29 CONN_TOP.30 CONN_TOP.31 CONN_TOP.32 CONN_VAC.1 CONN_VAC.2 CONN_VAC.3 CONN_VAC.4 CONN_VAC.5 CONN_VAC.6 CONN_VAC.7 CONN_VAC.8 CONN_VAC.9 CONN_VAC.10 CONN_VAC.11 CONN_VAC.12 CONN_VAC.13 CONN_VAC.14 CONN_VAC.15 CONN_VAC.16 CONN_VAC.17 CONN_VAC.18 CONN_VAC.19 CONN_VAC.20 CONN_VAC.21 CONN_VAC.22 CONN_VAC.23 CONN_VAC.24 CONN_VAC.25 CONN_VAC.26 CONN_VAC.27 CONN_VAC.28 CONN_VAC.29 CONN_VAC.30 CONN_VAC.31 CONN_VAC.32 IC4.5 P4.6 Q2.0 Q6.0 Q21.0 R16.0 R17.0 R18.0 R19.0 R54.1 R58.0 R64.0 R66.0 R75.0 R77.0 R138.0 R142.0 R144.0 R148.0 R150.0 R151.0 R155.0 R162.0 R164.0 R168.0 R169.0 R181.0 R184.0 R188.0 R189.0 T2.9 T2.10 T2.12 T2.13 T2.15 T2.16 U2.1 U2.2 U3.0 U4.0 U4.1 U4.2 U7.0 U9.0 U9.1 U9.2 U10.1 U10.2 U13.0 U14.0 U14.1 U14.2 U16.0 U18.0 U18.1 U18.2 U19.0 U20.3 U20.4 U20.22 U20.29 U20.34 U20.38 U20.39 U20.40 U20.44 U20.47 U21.0 U22.0 U22.1 U22.2 U23.2 U23.3 U23.4 U23.5 U23.22 U23.26 U23.28 U23.29 U23.30 U23.38 U23.39 U23.40 U23.44 U23.45 U23.47 U24.0 U25.0 U25.1 U25.2 U?.1 U?.2 U?.3 U?.4 U?.5 U?.6 U?.7 U?.8 U?.9 U?.10 U?.11 U?.12 U?.13 U?.14 U?.15 U?.16
copper on no net:
  other v1: 144.024,30.695 143.025,30.7 145.025,30.7 143.025,31.5 144.024,31.495 145.025,31.5 144.024,32.295 143.025,32.3 145.025,32.3 143.025,45.925 144.024,45.92 145.025,45.925 144.024,46.72 143.025,46.725 145.025,46.725 143.025,47.525 144.024,47.52 145.025,47.525 143.025,51 144.024,50.995 145.025,51 143.025,51.8 144.024,51.795 145.025,51.8 143.025,52.6 144.024,52.595 145.025,52.6 143.025,61.15 144.024,61.145 145.025,61.15 143.025,61.95 144.024,61.945 145.025,61.95 143.025,62.75 144.024,62.745 145.025,62.75 143.025,66.225 144.024,66.22 145.025,66.225 143.025,67.025 144.024,67.02 145.025,67.025 143.025,67.825 144.024,67.82 145.025,67.825

## Polygon pours and split planes (outlines as drawn)
INV_RTN_SHUNT- on Bottom Layer "INV_RTN_SHUNT-_L04_P025" (solid, pour order 25): 82.26,99.8 cw(c82.26,97.26) 84.8,97.26 84.8,92.7 cw(c84.327,92.698) 84.327,92.225 81.65,92.225 cw(c81.65,92.725) 81.15,92.725 81.15,94.45 ccw(c79.05,94.45) 79.05,96.55 78.15,96.55 cw(c78.15,98.2) 76.5,98.2 76.5,99.425 cw(c76.875,99.425) 76.875,99.8
NetIC6_7 on Bottom Layer "NETIC6_7_L04_P040" (solid, pour order 40): 88.8,50.575 89.1,50.575 89.1,48.6 88.1,48.6 88.1,48.9 88.8,49.6
INV_RTN_SHUNT- on Bottom Layer "i" (solid, pour order 27): 84.8,92.7 84.8,93.75 cw(c87.225,93.75) 87.225,96.175 90.025,96.175 ccw(c90.025,98.05) 91.9,98.05 ccw(c90.15,98.05) 90.15,99.8 81.875,99.8 ccw(c81.875,99.075) 81.15,99.075 81.15,92.725
INV_RTN_SHUNT- on Bottom Layer "INV_RTN_SHUNT-_L04_P024" (solid, pour order 24): 79.469,98.656 ccw(c78.319,98.656) 78.319,99.806 75.144,99.806 ccw(c75.144,99.181) 74.519,99.181 cw(c74.044,99.181) 74.044,98.706 72.794,98.706 ccw(c72.794,97.831) 71.919,97.831 71.919,97.231 ccw(c72.594,97.231) 72.594,96.556 79.105,96.556 ccw(c79.105,96.92) 79.469,96.92
NetC33_1 on Bottom Layer "NETC33_1_L04_P023" (solid, pour order 23): 71.736,89.989 ccw(c72.886,89.989) 72.886,88.839 76.061,88.839 ccw(c76.061,89.464) 76.686,89.464 cw(c77.161,89.464) 77.161,89.939 78.411,89.939 ccw(c78.411,90.814) 79.286,90.814 79.286,91.414 ccw(c78.611,91.414) 78.611,92.089 72.1,92.089 ccw(c72.099,91.726) 71.736,91.725
TOP_HF_GND on Top Layer "TOP_HF_GND_L01_P047" (solid, remove dead copper, pour order 47): 21.575,93.085 cw(c24.115,93.085) 24.115,95.625 46.175,95.625 cw(c46.175,93.725) 48.075,93.725 ccw(c49.425,93.725) 49.425,92.375 51.4,92.375 cw(c51.4,90.55) 53.225,90.55 cw(c51.35,90.55) 51.35,88.675 47.625,88.675 ccw(c47.625,87.7) 46.65,87.7 cw(c45.625,87.7) 45.625,86.675 24.115,86.675 cw(c24.115,89.215) 21.575,89.215
TOP_LF_GND on Top Layer "TOP_LF_GND_L01_P042" (solid, remove dead copper, pour order 42): 79.175,41.15 cw(c80.175,41.15) 80.175,42.15 ccw(c80.175,43.975) 82,43.975 82,52.123 cw(c84.54,52.123) 82.744,53.919 84.781,55.956 ccw(c82.985,57.752) 85.525,57.752 85.525,61.835 cw(c88.065,61.835) 88.065,64.375 101.333,64.375 cw(c101.333,62.583) 102.6,63.85 107.338,59.112 cw(c106.826,58.6) 107.55,58.6 107.55,38 cw(c105.25,38) 105.25,35.7 81.715,35.7 cw(c81.715,38.24) 79.175,38.24
TOP_LF_GND on Top Layer "TOP_LF_GND_L01_P045" (solid, remove dead copper, pour order 45): 112.75,74.21 cw(c115.29,74.21) 115.29,76.75 115.375,76.75 cw(c115.375,74.325) 117.8,74.325 117.8,71.55 cw(c115.7,71.55) 115.7,69.45 115.29,69.45 cw(c115.29,71.99) 112.75,71.99
TOP_LF_GND on Top Layer "TOP_LF_GND_L01_P044" (solid, remove dead copper, pour order 44): 107.55,39.575 107.55,26.715 cw(c105.01,26.715) 105.01,24.175 96.94,24.175 ccw(c96.94,21.635) 94.4,21.635 94.4,18.29 cw(c91.86,18.29) 91.86,15.75 81.715,15.75 cw(c81.715,18.29) 79.175,18.29 79.175,38.425 cw(c80.325,38.425) 80.325,39.575
V_400VDC on Top Layer "V_400VDC_L01_P028" (solid, pour order 28): 35.575,78.75 ccw(c35.575,81.125) 37.95,81.125 37.95,82.05 cw(c37.975,82.05) 37.975,82.075 40.925,82.075 cw(c40.925,82.05) 40.95,82.05 40.95,81.29 ccw(c43.49,81.29) 43.49,78.75 44.175,78.75 44.175,77.675 cw(c44.15,77.675) 44.15,77.65 35.575,77.65
BOTT_GND on BOTT_RTN "BOTT_GND_L03_P048" (solid, pour order 48): 48.825,82.235 48.825,96.335 cw(c51.365,96.335) 51.365,98.875 53.185,98.875 cw(c53.185,96.335) 55.725,96.335 55.725,89.15 ccw(c57.525,89.15) 57.525,87.35 62.475,87.35 cw(c62.475,85.7) 64.125,85.7 ccw(c65.35,85.7) 65.35,84.475 67.05,84.475 67.05,83.525 cw(c65.76,83.525) 65.76,82.235
TOP_HF_GND on BOTT_RTN "TOP_HF_GND_L03_P046" (solid, remove dead copper, pour order 46): 45.758,95.625 cw(c43.265,92.75) 46.45,90.667 46.45,80.475 cw(c45.65,80.475) 45.65,79.675 ccw(c45.65,78.075) 44.05,78.075 44.05,34.015 ccw(c46.59,34.015) 46.59,31.475 48.035,31.475 cw(c48.035,28.935) 50.575,28.935 50.575,18.29 cw(c48.035,18.29) 48.035,15.75 25.927,15.75 cw(c25.927,18.29) 24.131,16.494 22.318,18.307 cw(c24.114,20.103) 21.574,20.103 21.574,93.085 cw(c24.114,93.085) 24.114,95.625
BOTT_GND on BOTT_RTN "BOTT_GND_L03_P038" (solid, pour order 38): 74.075,42.835 cw(c76.615,42.835) 76.615,45.375 79.025,45.375 ccw(c79.025,46.85) 80.5,46.85 80.5,54.675 cw(c82.25,54.675) 82.25,56.425 ccw(c82.25,58.675) 84.5,58.675 84.5,81.985 ccw(c81.96,81.985) 81.96,84.525 51.365,84.525 ccw(c51.365,81.985) 48.825,81.985 48.825,78.125 cw(c47.75,78.125) 47.75,77.05 ccw(c47.75,74.85) 45.55,74.85 45.55,35.954 ccw(c48.09,35.954) 48.09,33.414 54.136,33.414 cw(c54.136,31.3) 56.25,31.3 ccw(c57.875,31.3) 57.875,29.675 72.625,29.675 ccw(c72.625,31.125) 74.075,31.125
TOP_LF_GND on BOTT_RTN "TOP_LF_GND_L03_P041" (solid, remove dead copper, pour order 41): 79.1,18.29 ccw(c81.64,18.29) 81.64,15.75 91.785,15.75 ccw(c91.785,18.29) 94.325,18.29 94.325,21.675 cw(c96.825,21.675) 96.825,24.175 106.11,24.175 ccw(c106.11,26.715) 108.65,26.715 108.65,62.275 120.156,73.781 cw(c121.952,71.985) 121.952,74.525 122.585,74.525 ccw(c122.585,77.065) 125.125,77.065 125.125,81.25 ccw(c122.675,81.25) 122.675,83.7 107.565,83.7 cw(c107.565,86.24) 105.025,86.24 105.025,88.885 ccw(c102.485,88.885) 102.485,91.425 96.775,91.425 cw(c96.775,92.925) 95.275,92.925 ccw(c93.475,92.925) 93.475,94.725 88.065,94.725 ccw(c88.065,92.185) 85.525,92.185 85.525,82.002 ccw(c88.065,82.002) 86.269,80.206 cw(c88.065,82.002) 85.525,82.002 85.525,57.762 cw(c82.985,57.761) 84.781,55.965 82.744,53.928 ccw(c84.54,52.132) 82,52.132 82,43.875 cw(c80.475,43.875) 80.475,42.35 ccw(c80.562,40.888) 79.1,40.8
BOTT_GND on TOP_RTN "NONET_L-01_P-001" (solid, remove dead copper, pour order 29): 21.575,84.6 138.45,84.6 138.45,15.75 26.125,15.75 21.575,20.3

## Other copper
Top Layer:
  rectangle net BOTT_GND: 60.25,66.25 66.75,69.775
  region net V_400VDC: 79.634,67.241 78.025,68.85 76.495,67.32 78.104,65.712
  region net V_400VDC: 52.116,65.466 53.725,67.075 52.195,68.605 50.587,66.996
  region net V_400VDC: 34.016,68.066 35.625,69.675 34.095,71.205 32.487,69.596
  rectangle net VH_BOTT_HF_MOS: 50.125,80.75 52.95,83.525
  rectangle net BOTT_GND: 64.75,78.35 68.725,80.175
  rectangle: 141.025,61.15 145.025,67.825
  rectangle: 141.025,45.925 145.025,52.6
  rectangle: 141.025,30.7 145.025,37.375
TOP_RTN:
  rectangle net BOTT_GND: 66.425,79.65 67.075,80.3
  pour cut-out: 100.05,84.6 cw(c100.05,82.025) 102.625,82.025 102.625,77.065 ccw(c105.165,77.065) 105.165,74.525 110.125,74.525 cw(c110.125,72.2) 112.45,72.2 112.45,71.665 ccw(c114.99,71.665) 114.99,69.125 137.575,69.125 cw(c137.575,68.25) 138.45,68.25 138.45,84.6
  pour cut-out: 79.175,38.24 ccw(c81.715,38.24) 81.715,35.7 105.25,35.7 ccw(c105.25,38) 107.55,38 107.55,58.6 ccw(c106.826,58.6) 107.338,59.112 102.642,63.808 ccw(c101.273,62.439) 101.273,64.375 88.065,64.375 ccw(c88.065,61.835) 85.525,61.835 85.525,57.765 85.525,57.752 cw(c82.985,57.752) 84.781,55.956 82.744,53.919 ccw(c84.54,52.123) 82,52.123 82,43.983 cw(c80.167,43.983) 80.167,42.15 ccw(c80.167,41.158) 79.175,41.158
BOTT_RTN:
  rectangle net BOTT_GND: 66.425,79.65 67.075,80.3
Bottom Layer:
  rectangle net TOP_LF_GND: 88.475,50.825 89.927,51.525
  rectangle net TOP_LF_GND: 85.625,49.8 88.45,50.575
  rectangle net NetC102_2: 85.625,51.775 88.375,52.575
  rectangle net NetC43_2: 59.525,52.15 61,52.75
  region net NetIC4_7: 60.786,48.711 61.475,49.4 61.225,49.65 60.536,48.961
  rectangle net BOTT_GND: 71.6,70.15 72.675,70.8
  rectangle net VH_BOTT_LF_MOS: 80.9,81.075 82.975,83.175
  rectangle net VH_BOTT_HF_MOS: 50.125,80.725 52.975,83.525
  rectangle net VH_BOTT_LF_MOS: 80.9,81.075 82.975,83.175
  rectangle: 142.575,60.775 145.4,68.325

## Silkscreen, mask and mechanical layers (free items; w line width, h text height)
Top Overlay:
  circle w0.254: c130.675,49.375 r21.5
  text "N    PE    L" at 379.175,128.45 h3 r90
  text "M.F.2020" at 366.95,84.876 h2.5
  text "StarGate 450 - DC/AC V2.0" at 163.825,16.701 h2.5
Bottom Overlay:
  circle w0.254: c33.125,30.875 r2.931
  circle w0.254: c26.375,77.625 r5.033
  circle w0.254: c26.375,62.625 r5.033
  lines w0.254: 21.125,15.4 31.625,15.4 31.625,25.9 21.125,25.9 21.125,15.4 ; 185.095,129.386 195.595,129.386 195.595,139.886 185.095,139.886 185.095,129.386
Bottom Solder:
  rectangle: 71.475,70.025 73.1,70.875
Mechanical 1:
  lines w0.5: 21.175,20.4 ccw(c26.175,20.4) 26.175,15.4 190.65,15.4 ; 21.175,20.425 21.175,134.85 ; 21.175,134.825 cw(c26.175,134.825) 26.175,139.825 190.575,139.825 cw(c190.575,134.825) 195.575,134.825 ; 190.579,15.396 ccw(c190.579,20.396) 195.579,20.396 ; 195.375,26.012 148.6,26.012 148.6,72.425 195.375,72.425 ; 195.575,20.425 195.575,134.85

## Text inside footprints (layer, text, board x,y; h text height)
CMC1: Top Overlay "12 (mm)" at 137.42,115.496 h0.7; Top Overlay "3" at 146.31,104.32 h0.7; Top Overlay "4" at 146.31,113.718 h0.7; Top Overlay "2" at 131.959,104.32 h0.7; Top Overlay "*" at 137.625,112.141 h0.7 r90; Top Overlay "*" at 137.625,106.619 h0.7 r90; Top Overlay "DTS-20-V" at 135.515,97.208 h1; Top Overlay "FERYSTER" at 135.642,120.576 h1; Top Overlay "1" at 132.086,113.718 h0.7; Top Overlay "7 (mm)" at 136.658,107.622 h0.7 r90